# Altium PCB PCB1.PcbDoc
Units mm, origin at the board's own origin, x right, y up, seen from the top; angles counter-clockwise.
Board outline 84 x 55 mm, 2 copper layers (Top Layer, Bottom Layer), stack 1.671 mm thick; 55 components, 36 nets, 166 pads, 26 vias.
Unrouted connection lines stored in the file: 42.
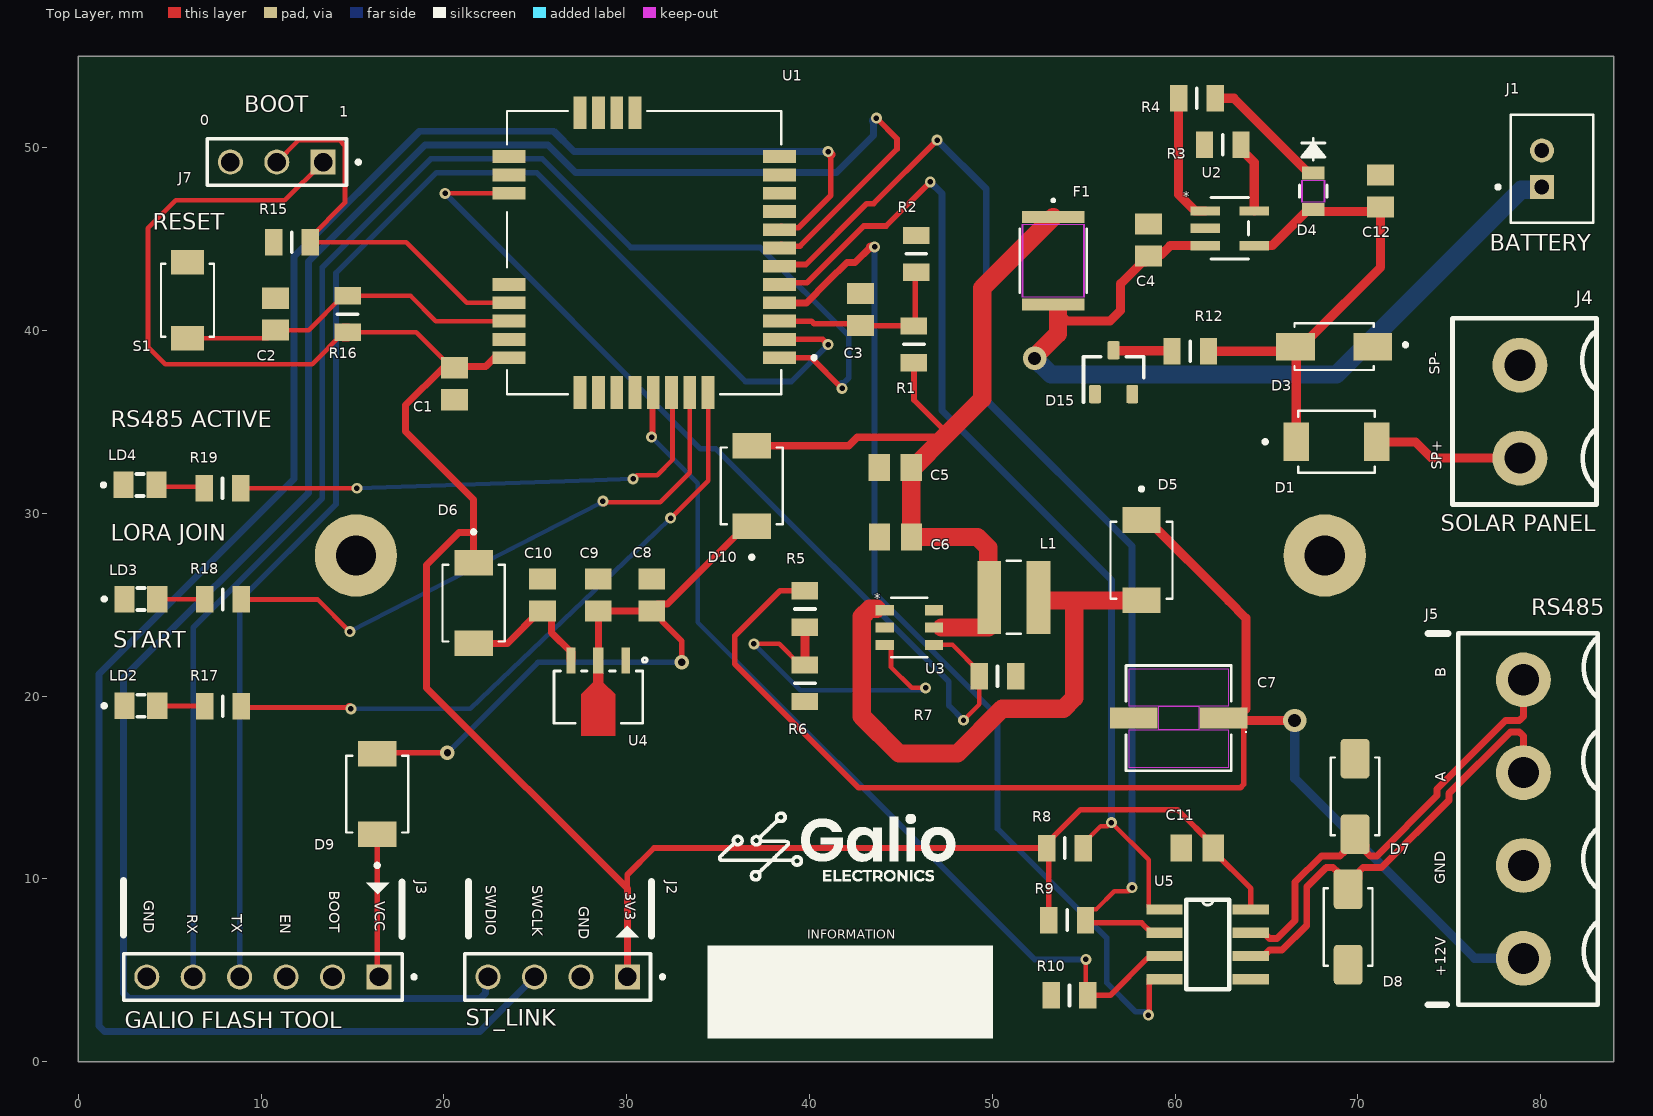
[diagram p0: Top Layer view]
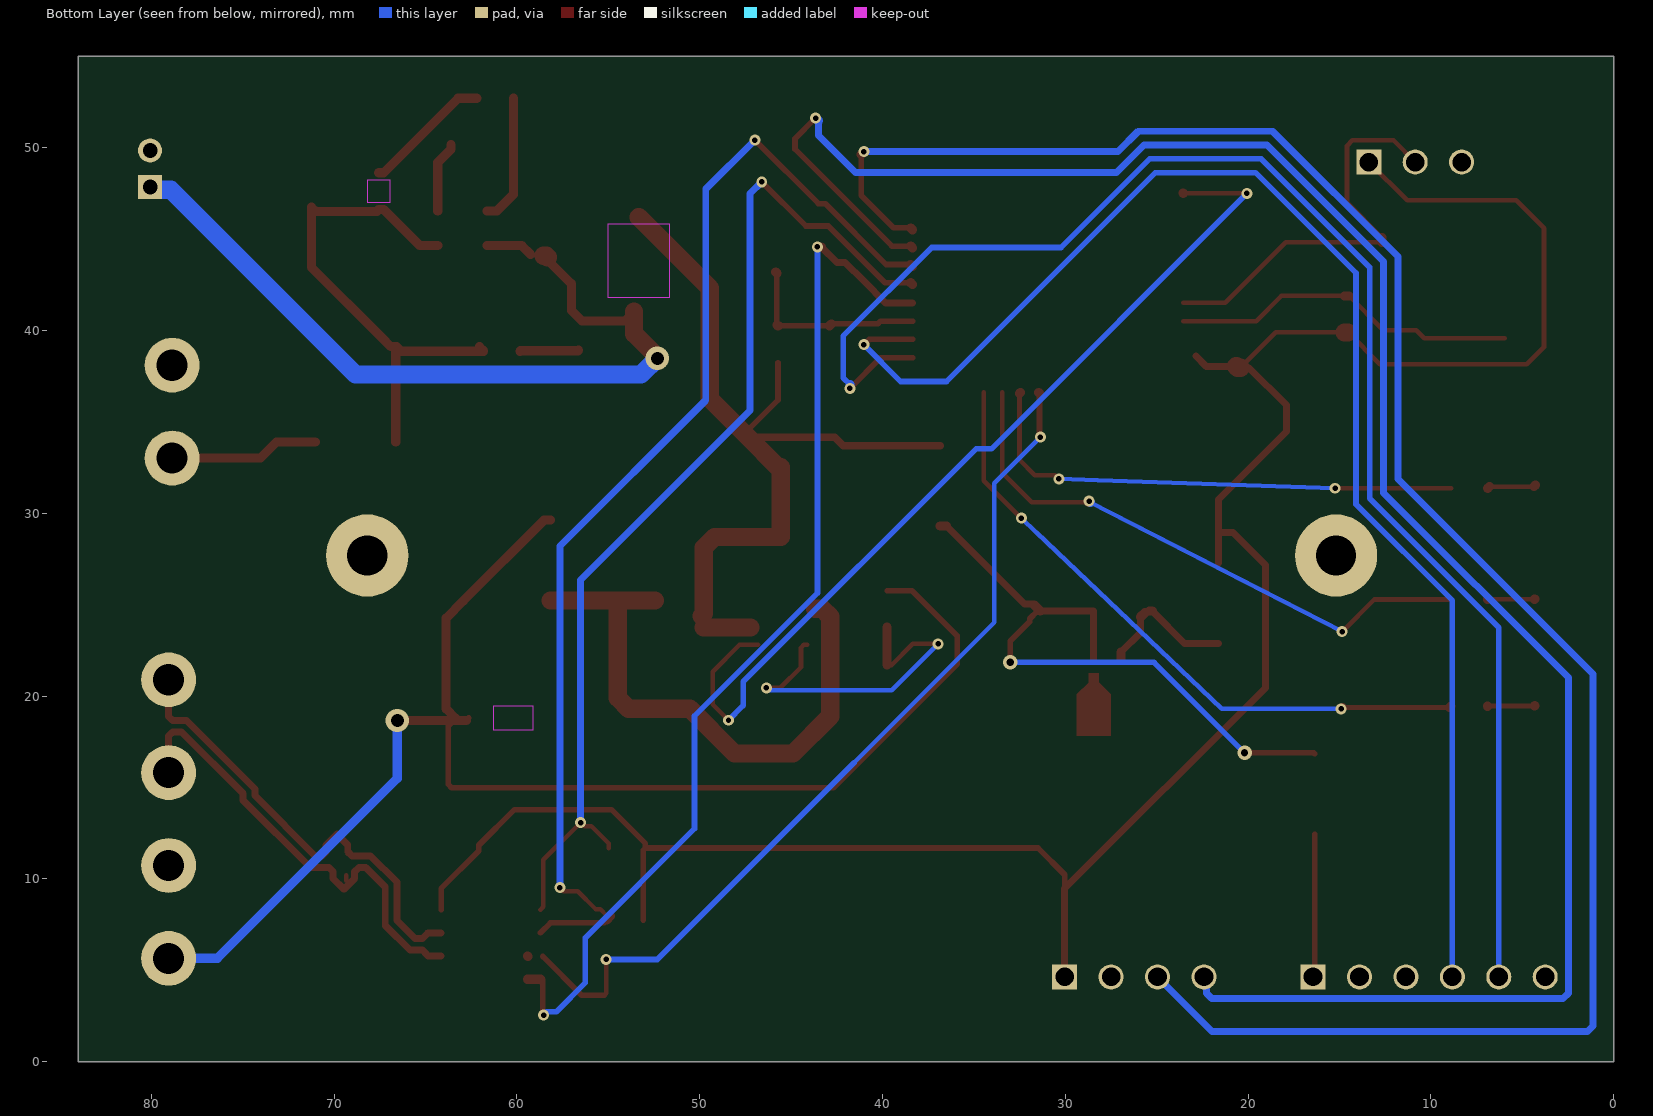
[diagram p1: Bottom Layer view, seen from below]
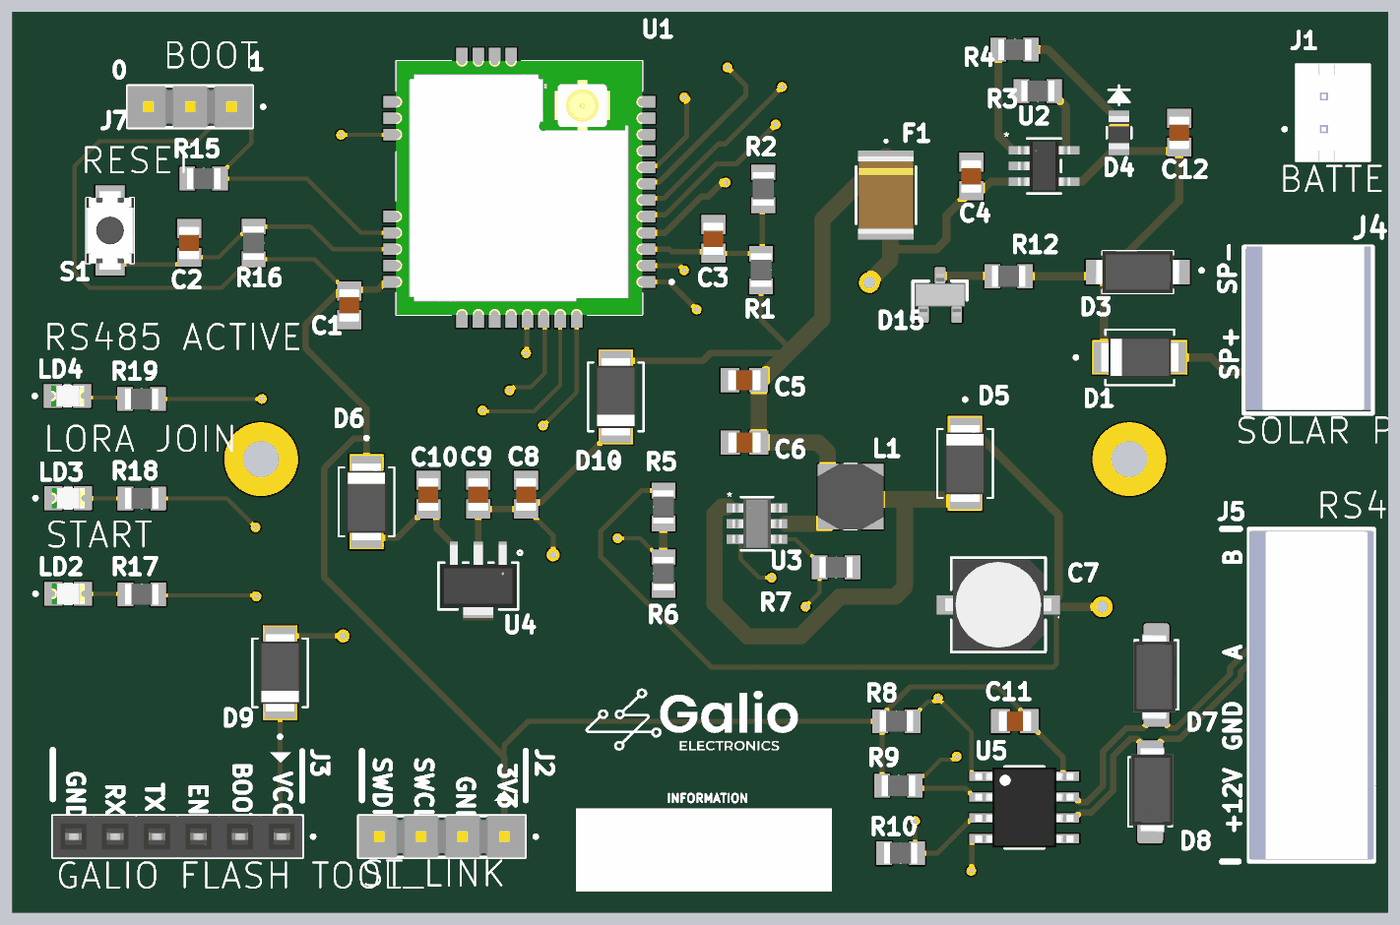
[diagram p2: 3D render of the assembled board from above, using the file's embedded part models]

## Layer stack, top to bottom
Top Solder: solder mask 0.0102, Solder Resist, Dk 3.5
Top Layer: signal copper 0.0356
Dielectric 1: dielectric 1.6, FR-4, Dk 4.8
Bottom Layer: signal copper 0.0356
Bottom Solder: solder mask 0.0102, Solder Resist, Dk 3.5

## Board outline
0,0 84,0 84,55 0,55

## Design rules (kind name [scope] priority, off if disabled: settings)
Clearance [All] p1: gap=0.254 ignorepadtopadclearanceinfootprint=FALSE except(0: Arc-Hole Track-Hole SMDPad-Hole THPad-Hole Via-Hole Fill-Hole Poly-Hole Region-Hole Text-Hole)
DiffPairsRouting [All] p1: maxlimit=0.254 minlimit=0.254 mostfreqgap=0.254 toplayer_minwidth=0.381 toplayer_maxwidth=0.381 toplayer_prefwidth=0.381 bottomlayer_minwidth=0.381 bottomlayer_maxwidth=0.381 bottomlayer_prefwidth=0.381 maxuncoupledlength=12.7
PolygonConnect [All] p1: connectstyle=Relief reliefconductorwidth=0.254 reliefentries=4 polygonreliefangle="90 Angle" airgapwidth=0.254
RoutingVias [All] p1: holewidth=0.711 width=1.27 viastyle="Through Hole" minholewidth=0.711 minwidth=1.27 maxholewidth=0.711 maxwidth=1.27
SolderMaskExpansion [All] p1: expansion=0.102 istentingtop=FALSE
Width Power_low [InNetClass('Power_low')] p1: maxlimit=1 minlimit=0.3 preferedwidth=0.308 minimp=50.000000 maximp=50.000000 favimp=50.000000
Width power_high [InNetClass('Power_High')] p2: maxlimit=2 minlimit=0.5 preferedwidth=1 minimp=50.000000 maximp=50.000000 favimp=50.000000
Width Señales [InNetClass('Señal')] p3: maxlimit=0.6 minlimit=0.25 preferedwidth=0.25 minimp=50.000000 maximp=50.000000 favimp=50.000000
29 further rules are at their usual default settings.

## Classes and differential pairs
net class Señal: BOOT0 DE FB INIT_LED LORA_LED NetLD2_2 NetLD3_2 NetLD4_2 NIV_BAT P_N P_P PROG RE RS485_LED RS_485_ENA RST RX RX_2 SOLAR_IN STAT SWCLK SWDIO TX TX_2 VDD ZENER_OUT
net class Power_low: +3.3 +5 +12 GND VBAT_CHARGE VIN_LDO VOUT_LDO
net class Power_High: SW_BOOST V_BAT V_CHARGE VBAT_CHARGE
differential pair P: +P_P -P_N

## Components (designator, comment, footprint, x,y, rotation, side; value= is the part's Value field where it differs from the comment)
C1 "100nF" CAPC2012X110N 20.574,37.084 r90 top
C2 "100nF" CAPC2012X110N 10.795,40.894 r270 top
C3 "100nF" CAPC2012X110N 42.799,41.148 r270 top
C4 "4.7uF" CAPC2012X110N 58.547,44.958 r270 top
C5 "100nF" CAPC2012X110N 44.69,32.512 r0 top
C6 "22uF" CAPC2012X110N 44.704,28.702 r0 top
C7 "22µF 25V" CAP_EEFK_C_PAN 60.198,18.796 r180 top
C8 "1uF" CAPC2012X110N 31.369,25.527 r270 top
C9 "100nF" CAPC2012X110N 28.448,25.527 r90 top
C10 "1uF" CAPC2012X110N 25.4,25.527 r270 top
C11 "100nF" CAPC2012X110N 61.214,11.684 r0 top
C12 "4.7uF" CAPC2012X110N 71.247,47.625 r270 top
D1 "Schottky 1A 40V" SODFL4725X110N 68.834,33.909 r0 top
D3 "TVS U 7.6v" DIOM4325X250N 68.707,39.116 r180 top
D4 "0805" LED0805N_CML 67.564,47.625 r270 top
D5 "Schottky 1A 40V" SODFL4725X110N 58.166,27.432 r270 top
D6 "Schottky 1A 40V" SODFL4725X110N 21.626,25.082 r270 top
D7 "TVS" DIOM5126X229N 69.85,14.511 r270 top
D8 "TVS" DIOM5126X229N 69.469,7.366 r90 top
D9 "Schottky SOD-128" SODFL4725X110N 16.351,14.637 r90 top
D10 "Schottky SOD-128" SODFL4725X110N 36.847,31.496 r90 top
D15 "Zener 6.8V" SOT-23 56.642,37.719 r90 top value="Single Diode"
F1 "" FUSE_MF-MSMF07524-2_BRN 53.34,43.815 r270 top
J1 "B2B-PH-K-S" JST_B2B-PH-K-S 80.623,48.847 r270 top
J2 "PIN-HEADER-4" PIN-HEADER-4-MALE 26.226,4.635 r0 top
J3 "PIN-HEADER-6" PIN-HEADER-6-FEMALE 10.096,4.635 r0 top
J4 "TRT2" TRT_2_KF301 78.867,38.1 r90 top
J5 "TRT4" "TRT_4_ KF301" 79.057,13.271 r90 top
J7 "PIN-HEADER-3" PIN-HEADER-3-MALE 10.858,49.212 r0 top
L1 "VLS4012ET-4R7M-CA" IND_VLS4012ET-4R7M-CA 51.181,25.4 r0 top
LD2 "" LEDC2012X70N 3.417,19.467 r0 top
LD3 "" LEDC2012X70N 3.417,25.308 r0 top
LD4 "" LEDC2012X70N 3.376,31.549 r0 top
R1 "100k" RESC2013X84N 45.72,39.243 r270 top
R2 "100k" RESC2013X84N 45.847,44.196 r270 top
R3 "2.2k" RESC2013X84N 62.611,50.165 r0 top
R4 "470" RESC2013X84N 61.198,52.705 r0 top
R5 "190K" RESC2013X84N 39.751,24.764 r90 top
R6 "10K" RESC2013X84N 39.751,20.7 r90 top
R7 "10K" RESC2013X84N 50.292,21.082 r180 top
R8 "10k" RESC2013X84N 53.975,11.684 r180 top
R9 "10k" RESC2013X84N 54.102,7.747 r180 top
R10 "10k" RESC2013X84N 54.229,3.621 r0 top
R12 "47" RESC2013X84N 60.833,38.862 r0 top
R15 "10k" RESC2013X84N 11.684,44.831 r0 top
R16 "10k" RESC2013X84N 14.732,40.894 r90 top
R17 "330" RESC2013X84N 7.907,19.442 r0 top
R18 "330" RESC2013X84N 7.907,25.284 r0 top
R19 "330" RESC2013X84N 7.89,31.369 r0 top
S1 "" SWITCH-SMD-4x3mm 5.969,41.656 r270 top
U1 "RAK3172" XCVR_RAK3172 30.954,44.263 r180 top
U2 "MCP73831T-2ACI/OT" SOT-23-5_MC_MCH-M 62.992,45.593 r0 top
U3 "MT3608" TSOT23-6SOT23-6_AER 45.466,23.749 r0 top
U4 "MCP1700T-3302E/MB" SOT-89_3MC_MCH 28.448,19.939 r180 top
U5 "THVD2450DR" SOIC8-N_MC 61.785,6.413 r0 top

## Footprints (in the part's own frame and the unit in brackets; to place one, negate y for a bottom-side part, rotate by r counter-clockwise, add the part's x,y. Pads: shape width x height; smd on the part's side, far side on the other; paste and mask are expansions set on the pad)
CAP_EEFK_C_PAN [mil]
  rect 103x46 smd paste+0 mask+0: 1(-96.5,0) 2(96.5,0)
  Top Layer keep-out region: -106.5,-106.5 -106.5,-25 106.5,-25 106.5,-106.5
  Top Layer keep-out region: -106.5,25 -106.5,106.5 106.5,106.5 106.5,25
  Top Layer keep-out region: -43,-25 -43,25 43,25 43,-25
  Keep-Out Layer region: -43,-25 -43,25 43,25 43,-25
  silkscreen extent -145,-114 114,114, body extent -128,-109 128,109, height 242
CAPC2012X110N [mm]
  rect 1.16x1.47 smd paste+0 mask+0.102: 1(-0.875,0) 2(0.875,0)
  body extent -1,-0.63 1,0.63, height 1.1
DIOM4325X250N [mm]
  rect 2.12x1.5 smd: A(2.115,0) C(-2.115,0)
  silkscreen extent -4,-1.28 2.16,1.28, body extent -2.61,-1.3 2.61,1.3, height 2.4
DIOM5126X229N [mm] "Diode TVS Bi-Dir 30V 400W DO214AC"
  rrect25% 2.17x1.57 smd paste+0 mask+0.102: 1(-2.065,0) 2(2.065,0)
  silkscreen extent -2.12,-1.33 2.12,1.33, body extent -2.48,-1.43 2.73,1.18, height 2.4
FUSE_MF-MSMF07524-2_BRN [mil]
  rect 25.78x134 smd paste+0 mask+0: 1(-93.89,0) 2(93.89,0)
  Top Layer keep-out region: -79,-65 -79,65 79,65 79,-65
  Keep-Out Layer region: -79,-67 -79,67 79,67 79,-67
  silkscreen extent -133,-72 69,72, body extent -93,-67 93,67, height 33
IND_VLS4012ET-4R7M-CA [mm]
  rect 1.3x4 smd: 1(-1.35,0) 2(1.35,0)
  silkscreen extent -0.38,-2 0.38,2, body extent -2,-2 2,2, height 1.2
JST_B2B-PH-K-S [mm]
  rect 1.308x1.308 / inner round 1.308 / far side rect 1.308x1.308 hole 0.8: 1(1,-0.55)
  round 1.308 hole 0.8: 2(-1,-0.55)
  silkscreen extent -2.95,-3.05 2.95,2.25, body extent -2.95,-2.25 2.95,2.25, height 6
LED0805N_CML [mil]
  rect 28x49 smd paste+0 mask+0: 1(-39.5,0) 2(39.5,0)
  Top Layer keep-out region: -23.5,-22.5 -23.5,22.5 23.5,22.5 23.5,-22.5
  Keep-Out Layer region: -23.5,-24.5 -23.5,24.5 23.5,24.5 23.5,-24.5
  silkscreen extent -114,-30 13,30, body extent -39,-24 39,24, height 31
LEDC2012X70N [mm]
  rect 1.1x1.45 smd: A(0.9,0) C(-0.9,0)
  silkscreen extent -2.1,-0.6 0.2,0.6, body extent -1,-0.63 1,0.63, height 0.7
PIN-HEADER-3-MALE [mm]
  rect 1.37x1.37 hole 1.02: 1(2.54,0)
  round 1.37 hole 1.02: 2(0,0) 3(-2.54,0)
  silkscreen extent -3.81,-1.27 4.56,1.27, body extent -3.81,-1.27 3.81,1.27, height 5.08
PIN-HEADER-4-MALE [mm]
  rect 1.37x1.37 hole 1.02: 1(3.81,0)
  round 1.37 hole 1.02: 2(1.27,0) 3(-1.27,0) 4(-3.81,0)
  silkscreen extent -5.08,-1.27 5.83,1.27, body extent -5.08,-1.27 5.08,1.27, height 5.08
PIN-HEADER-6-FEMALE [mm]
  rect 1.37x1.37 hole 1.02: 1(6.35,0)
  round 1.37 hole 1.02: 2(3.81,0) 3(1.27,0) 4(-1.27,0) 5(-3.81,0) 6(-6.35,0)
  silkscreen extent -7.62,-1.27 8.37,1.27, body extent -7.62,-1.27 7.62,1.27, height 8.5
RESC2013X84N [mm] "Chip Resistor, EIA 0805, Metric 2013, Body 2.03x1.27mm, IPC Medium Density"
  rect 0.95x1.45 smd: 1(-1,0) 2(1,0)
  silkscreen extent 0,-0.55 0,0.55, body extent -1.02,-0.63 1.02,0.64, height 0.84
SODFL4725X110N [mm]
  rect 1.4x2.1 smd paste-0.1: 1(-2.2,0) 2(2.2,0)
  silkscreen extent -4,-1.7 2.1,1.7, body extent -2.35,-1.25 2.35,1.25, height 1.1
SOIC8-N_MC [mil]
  rect 78x22 smd: 1(-93,75) 2(-93,25) 3(-93,-25) 4(-93,-75) 5(93,-75) 6(93,-25) 7(93,25) 8(93,75)
  silkscreen extent -46,-96 46,96, body extent -118,-97 118,96, height 69
SOT-23 [mm] "SOT23, 3-Leads, IPC Medium Density"
  rrect25% 1x0.65 smd: 1(-1.2,1.02) 2(-1.2,-1.02) 3(1.2,0)
  silkscreen extent -1.65,-1.65 0.85,1.65, body extent -1.3,-1.52 1.3,1.52, height 1.3
SOT-23-5_MC_MCH-M [mil]
  rect 63.37x20 smd paste+0 mask+0: 1(-52.97,37.4) 2(-52.97,0) 3(-52.97,-37.4) 4(52.97,-37.4) 5(52.97,37.4)
  silkscreen extent -40,-66 40,66, body extent -63,-61 63,61, height 57
SOT-89_3MC_MCH [mil]
  rect 19x55.87 smd paste+0 mask+0: 1(-59.06,-79.12) 3(59.06,-79.12)
  rect 22x55.87 smd paste+0 mask+0: 2(0,-79.12)
  Top Layer region: 11,-51.18 -11,-51.18 -11,-30.82 -36.98,-6.8 -36.98,82.96 36.98,82.96 36.98,-6.8 11,-31.8
  silkscreen extent -105,-85 96,56, body extent -91,-99 91,69, height 65
SWITCH-SMD-4x3mm [mm]
  rect 1.35x1.8 smd: 1(-2.075,0) 2(2.075,0)
  silkscreen extent -2,-1.45 2,1.45, body extent -2.4,-1.45 2.4,1.45, height 2
TRT_2_KF301 [mm] "Bornera KF301 de 2 Pines 5mm"
  round 3 hole 1.7: 1(-5.08,0) 2(0,0)
  silkscreen extent -7.63,-4.19 2.57,3.68, body extent -7.41,-4.06 2.59,3.54, height 10.03
"TRT_4_ KF301" [mm] "Bornera KF301 de 4 Pines 5mm"
  round 3 hole 1.7: 1(-7.62,0) 2(-2.54,0) 3(2.54,0) 4(7.62,0)
  silkscreen extent -10.16,-4.06 10.16,3.56, body extent -10,-4.06 10,3.54, height 10.05
TSOT23-6SOT23-6_AER [mm]
  rect 0.998x0.558 smd paste+0 mask+0: 1(-1.35,0.95) 2(-1.35,0) 3(-1.35,-0.95) 4(1.35,-0.95) 5(1.35,0) 6(1.35,0.95)
  silkscreen extent -0.98,-1.63 0.98,1.63, body extent -1.5,-1.5 1.5,1.5, height 1.45
XCVR_RAK3172 [mm]
  rect 1.8x0.7 smd paste+0 mask+0.102: 1(-7.4,5.75) 2(-7.4,4.75) 3(-7.4,3.75) 4(-7.4,2.75) 5(-7.4,1.75) 6(-7.4,0.75) 7(-7.4,-0.25) 8(-7.4,-1.25) 9(-7.4,-2.25) 10(-7.4,-3.25) 11(-7.4,-4.25) 12(-7.4,-5.25) 17(7.4,-5.25) 18(7.4,-4.25) 19(7.4,-3.25) 20(7.4,1.75) 21(7.4,2.75) 22(7.4,3.75) 23(7.4,4.75) 24(7.4,5.75)
  rect 0.7x1.8 smd paste+0 mask+0.102: 13(0.5,-7.65) 14(1.5,-7.65) 15(2.5,-7.65) 16(3.5,-7.65) 25(3.5,7.65) 26(2.5,7.65) 27(1.5,7.65) 28(0.5,7.65) 29(-0.5,7.65) 30(-1.5,7.65) 31(-2.5,7.65) 32(-3.5,7.65)
  silkscreen extent -9.4,-7.75 7.5,7.75, body extent -7.5,-7.75 7.5,7.75, height 2.61

## Part data
C1 C2 C3 C4 C5 C6 C8 C9 C10 C11 C12: library part C0805C125K4RACTU, "CAPACITOR, 0805", Package="805-2 KEMET", Check_prices=https://www.snapeda.com/parts/C0805C125K4RACTU/Kemet/view-part/?ref=eda, MF=KEMET, MP=C0805C125K4RACTU, SnapEDA_Link=https://www.snapeda.com/parts/C0805C125K4RACTU/Kemet/view-part/?ref=snap
C7: library part EEE-FK1E220AR, "Capacitor electrolítico aluminio SMD", Manufacturer_Name=Panasonic, Copyright="Copyright (C) 2026 Ultra Librarian. All rights reserved.", Manufacturer_Part_Number=EEE-FK1E220AR
D1 D5 D6 D9 D10: library part PMEG4020ETP,115, "Diode Schottky 40V 2A Surface Mount SOD-128/CFP5", Package="CFP5-2 Nexperia USA Inc.", Check_prices=https://www.snapeda.com/parts/PMEG4020ETP,115/Nexperia/view-part/?ref=eda, MF="Nexperia USA", MP=PMEG4020ETP,115, SnapEDA_Link=https://www.snapeda.com/parts/PMEG4020ETP,115/Nexperia/view-part/?ref=snap
D3: library part SMAJ11A, "11 TVS Diode Surface Mount DO-214AC (SMA)", Package="DO-214 Bourns", Check_prices=https://www.snapeda.com/parts/SMAJ11A/Bourns/view-part/?ref=eda, MF=Bourns, MP=SMAJ11A, SnapEDA_Link=https://www.snapeda.com/parts/SMAJ11A/Bourns/view-part/?ref=snap
D4: library part WL-SMCC_0603, "LED, GREEN, 60MCD, 573NM, SMD; LED Colour: Green; LED Mounting: SMD; LED Case Size: 0603; Forward Current If: 20mA; Forward Voltage: 2V; Wavelength Typ: 573nm; Luminous Intensity: 60mcd; Viewing Angle: 120Â°; Lens Shape: Rectangular; Product Range: WL-SMC", Package=None, Check_prices=https://www.snapeda.com/parts/150060VS73220/W%25C3%25BCrth+Elektronik+Midcom/view-part/?ref=eda, MF="WÃ¼rth Elektronik", MP=150060VS73220, SnapEDA_Link=https://www.snapeda.com/parts/150060VS73220/W%25C3%25BCrth+Elektronik+Midcom/view-part/?ref=snap
D7 D8: library part "Diode TVS Bi-Directional", "Transient Voltage Suppressor Diode (Bi-Directional)"
D15: library part Zener-Diode_NC, ki_description="Zener Dual Diode Common Anode", ki_keywords="Zener Dual Diode Common Anode"
F1: library part MF-MSMF07524-2, "Fuse", Manufacturer_Name="Bourns Electronics", Manufacturer_Part_Number=MF-MSMF075/24-2, Copyright="Copyright (C) 2026 Ultra Librarian. All rights reserved."
J1: "Connector Header Through Hole 2 position 0.079 (2.00mm)", Package=None, Check_prices=https://www.snapeda.com/parts/B2B-PH-K-S/JST/view-part/?ref=eda, MF="JST Sales America Inc.", MP=B2B-PH-K-S, SnapEDA_Link=https://www.snapeda.com/parts/B2B-PH-K-S/JST/view-part/?ref=snap
J2 J3 J7: Package=None, Availability=Unavailable, Price=None
  J2: MP=MTSW-104-06-T-S-100
  J3: MP=MTSW-106-06-T-S-100
  J7: MP=MTSW-103-06-T-S-190
J4: library part TRT_2, "Terminal Block, 2 Positions, Screw Connection"
J5: library part TRT_4, "TRT_4"
L1: "4.7 µH Shielded Drum Core, Wirewound Inductor 1.9 A 118mOhm Max Nonstandard", Package="NON STANDARD-2 TDK", Check_prices=https://www.snapeda.com/parts/VLS4012ET-4R7M-CA/TDK/view-part/?ref=eda, MF=TDK, MP=VLS4012ET-4R7M-CA, SnapEDA_Link=https://www.snapeda.com/parts/VLS4012ET-4R7M-CA/TDK/view-part/?ref=snap
LD2: library part "LED Red 0805", "LED Red 0805"
LD3: library part "LED Green 0805", "LED Green 0805"
LD4: library part "LED Yellow 0805", "LED Yellow 0805"
R1 R2 R3 R4 R5 R6 R7 R8 R9 R10 R12 R15 R16 R17 R18 R19: library part RES
S1: library part SWITCH-SMD-4x3mm, "50mA 4mm 100MÎ© 100,000 Times 12V 160gf 3mm 2mm Round Button Vertical welding SPST SMD Tactile Switches ROHS", Package=Package, Check_prices=https://www.snapeda.com/parts/TS-1088-AR02016/Xunpu/view-part/?ref=eda, MF=Xunpu, MP=TS-1088-AR02016, SnapEDA_Link=https://www.snapeda.com/parts/TS-1088-AR02016/Xunpu/view-part/?ref=snap
U1: "RAK3172 is a low-power long-range transceiver module based on the STM32WLE5CC chip. It provides an easy-to-use, small-size, low-power solution for long range wireless data applications", Package=Package, Check_prices=https://www.snapeda.com/parts/RAK3172/Shenzhen+RAKwireless+Technology+Co.%252CLtd./view-part/?ref=eda, MF="Shenzhen RAKwireless Technology Co.,Ltd.", MP=RAK3172, SnapEDA_Link=https://www.snapeda.com/parts/RAK3172/Shenzhen+RAKwireless+Technology+Co.%252CLtd./view-part/?ref=snap
U2: library part MCP73831T-2ACIOT, "Series Single-Cell Li-Ion/Li-Polymer Battery Charge Controller", Manufacturer_Name=Microchip, Copyright="Copyright (C) 2025 Ultra Librarian. All rights reserved.", Manufacturer_Part_Number=MCP73831T-2ACI/OT, RefDes=RefDes, Type=Type
U3: "DC-DC step-up", Manufacturer_Name=Aerosemi, Copyright="Copyright (C) 2025 Ultra Librarian. All rights reserved.", Manufacturer_Part_Number=MT3608, RefDes=RefDes, Type=Type
U4: library part MCP1700T-3302EMB, "Linear Voltage Regulators", Manufacturer_Name=Microchip, Copyright="Copyright (C) 2026 Ultra Librarian. All rights reserved.", Manufacturer_Part_Number=MCP1700T-3302E/MB, RefDes=RefDes, Type=Type
U5: "Transceiver Half RS422, RS485 SOIC-8", Manufacturer_Name="Texas Instruments", Copyright="Copyright (C) 2025 Ultra Librarian. All rights reserved.", Manufacturer_Part_Number=THVD2450DR, RefDes=RefDes, Type=Type

## Free pads (board coordinates)
  round 4.5 hole 2.2: Pad1(15.191,27.691) Pad1(68.191,27.691)

## Via types
v1: diameter 0.6, hole 0.3, Top Layer to Bottom Layer, 22 vias
v2: diameter 1.27, hole 0.711, Top Layer to Bottom Layer, 2 vias
v3: diameter 0.8, hole 0.4, Top Layer to Bottom Layer, 2 vias

## Nets (pads, with @x,y where several pads share a name; then routed paths per layer and width w, separated by ;. In a path a pad name is that pad's centre, name@x,y a point inside that pad or via, vN(x,y) a via of type N, cw(c..) or ccw(c..) an arc to the next point about the centre after c; other vN are vias at no path point)
+3.3: C1.2 C11.2 D6.1 J2.1 J7.1 R8.2 R9.2 R16.1 U1.24 U5.8 | length 125.9
  Top Layer w0.254: J7.1 11.303,47.117 5.334,47.117 3.81,45.593 3.81,39.099 4.757,38.152 12.79,38.152 R16.1@14.532,39.894 ; R16.1 18.484,39.894 C1.2@20.419,37.959
  Top Layer w0.308: 30.035,9.461 30.035,10.223 31.496,11.684 R8.2 ; R9.2 53.102,11.557 R8.2 ; U5.8 64.148,9.47 62.089,11.529 C11.2 62.089,11.839 60.139,13.789 54.83,13.789 52.975,11.934 R8.2
  Top Layer w0.381: C1.2@19.943,37.959 17.907,35.923 17.907,34.466 21.626,30.746 21.626,28.945 ; C1.2@20.654,38.039 22.291,38.039 U1.24@22.86,38.608 ; D6.1 21.626,28.945 ; J2.1 30.035,9.461 19.05,20.447 19.05,27.169 20.826,28.945 21.626,28.945
  Top Layer w1: R16.1@14.532,39.894 R16.1 ; C1.2@20.419,37.959 C1.2 C1.2@20.654,38.039
+5: C8.2 C9.1 D9.2 D10.1 U4.2 | length 35.4
  Top Layer w0.308: D9.2 16.405,16.891 v3(20.193,16.891) ; C8.2 31.524,24.652 31.95,24.226 31.95,24.071 33.02,23.001 v3(33.02,21.844)
  Top Layer w0.381: U4.2 C9.1 C8.2 ; C8.2@31.699,24.982 31.759,25.042 32.243,25.042 D10.1@36.497,29.296
  Top Layer w0.5: C8.2 C8.2@31.699,24.982 ; D10.1@36.497,29.296 D10.1
  Bottom Layer w0.308: v3(20.193,16.891) 25.146,21.844 v3(33.02,21.844)
+12: C7.1 D5.1 J5.1 R5.2 | length 77.9
  Top Layer w0.308: R5.2 38.387,25.764 35.914,23.291 35.914,21.76 42.688,14.986 63.574,14.986 63.754,15.166 63.754,18.366 C7.1@63.551,18.569 ; C7.1 C7.1@62.776,18.669
  Top Layer w0.5: D5.1 58.516,29.632 62.933,25.214 63.881,24.267 63.881,19.304 C7.1@63.373,18.796 ; C7.1@62.776,18.669 v2(66.548,18.669)
  Bottom Layer w0.5: v2(66.548,18.669) 66.548,15.494 76.391,5.651 J5.1
BOOT0: J7.2 R15.2 U1.21 | length 22.7
  Top Layer w0.254: J7.2 12.047,50.401 14.292,50.401 14.587,50.106 14.587,46.984 R15.2@12.684,45.081 ; R15.2 17.942,44.831 21.26,41.513 U1.21
  Top Layer w0.5: R15.2 R15.2@12.684,45.081
DE: R10.2 U1.29 U5.3 | length 48.8
  Top Layer w0.25: v1(55.118,5.588) 55.118,3.732 R10.2
  Top Layer w0.308: v1@31.411,34.205 U1.29@31.411,36.571 ; R10.2 56.454,3.621 U5.3@58.582,5.749
  Top Layer w0.5: v1(31.369,34.163) v1@31.411,34.205 ; U1.29@31.411,36.571 U1.29 ; U5.3@59.394,5.749 U5.3
  Bottom Layer w0.25: v1(31.369,34.163) 33.886,31.646 33.886,24.026 41.564,16.348
  Bottom Layer w0.308: 41.564,16.348 52.324,5.588 v1(55.118,5.588)
FB: R5.1 R6.2 U3.3 | length 19.7
  Top Layer w0.25: v1(36.957,22.859) 38.342,22.859 39.501,21.7 R6.2 ; U3.3 44.31,22.799 44.464,22.645 44.464,21.576 45.593,20.447 v1(46.355,20.447)
  Top Layer w0.5: R6.2@39.751,21.716 R5.1
  Bottom Layer w0.25: v1(36.957,22.859) 39.497,20.319 40.26,20.319 40.386,20.319 46.227,20.319 v1(46.355,20.447)
GND: C1.1 C2.1 C3.1 C4.1 C5.1 C6.1 C7.2 C8.1 C9.2 C10.1 C11.1 C12.1 D3.C D7.1 D8.1 D15.1 J1.2 J2.2 J3.6 J4.2 J5.2 J7.3 LD2.C LD3.C LD4.C pad.Pad1 R2.1 R3.1 R6.1 R7.1 R10.1 R15.1 S1.1 U1.11 U1.17 U1.18 U1.23 U1.28 U2.2 U3.2 U4.1 U5.5
INIT_LED: R17.2 U1.32 | length 35.5
  Top Layer w0.25: R17.2@8.976,19.373 v1@14.841,19.373 ; v1(32.403,29.737) 34.454,31.789 U1.32
  Top Layer w0.5: R17.2 R17.2@8.976,19.373 ; v1@14.841,19.373 v1(14.909,19.304)
  Bottom Layer w0.25: v1(14.909,19.304) 21.451,19.304 31.585,28.95 v1(32.403,29.737)
LORA_LED: R18.2 U1.31 | length 32.1
  Top Layer w0.25: R18.2 13.096,25.284 v1(14.854,23.525) ; v1@28.758,30.611 31.841,30.611 33.454,32.224 U1.31
  Top Layer w0.5: v1(28.702,30.667) v1@28.758,30.611
  Bottom Layer w0.25: v1(14.854,23.525) v1@28.62,30.582
  Bottom Layer w0.5: v1@28.62,30.582 28.675,30.638 28.701,30.664 v1(28.702,30.667)
NetLD2_2: LD2.A R17.1 | length 2.6
  Top Layer w0.25: LD2.A@4.33,19.454 R17.1@6.895,19.454
  Top Layer w0.5: LD2.A LD2.A@4.33,19.454 ; R17.1@6.895,19.454 R17.1
NetLD3_2: LD3.A R18.1 | length 2.6
  Top Layer w0.25: LD3.A@4.329,25.296 R18.1@6.895,25.296
  Top Layer w0.5: LD3.A LD3.A@4.329,25.296 ; R18.1@6.895,25.296 R18.1
NetLD4_2: LD4.A R19.1 | length 2.7
  Top Layer w0.25: LD4.A@4.365,31.459 R19.1@6.8,31.459
  Top Layer w0.5: LD4.A LD4.A@4.365,31.459 ; R19.1@6.8,31.459 R19.1
NIV_BAT: C3.2 R1.1 R2.2 U1.3 | length 10.5
  Top Layer w0.308: U1.3 40.109,40.513 40.263,40.36 C3.2@42.799,40.36 ; C3.2@42.901,40.258 R1.1@45.705,40.258 ; R1.1@45.783,40.307 R2.2@45.783,43.132
  Top Layer w0.5: C3.2@42.799,40.36 C3.2@42.901,40.258 ; R1.1@45.705,40.258 R1.1 R1.1@45.783,40.307 ; R2.2@45.783,43.132 R2.2
P_N: D8.2 J5.3 U5.6 | length 25.2
  Top Layer w0.25: D8.2@69.342,9.893 D8.2@69.342,10.193
  Top Layer w0.381: U5.6 64.859,5.779 64.948,5.867 64.948,5.873 65.171,6.096 65.846,6.096 67.208,7.458 67.208,9.554 68.275,10.621 68.651,10.621 68.878,10.394 68.878,10.022 D8.2 70.06,10.022 70.06,10.394 70.287,10.621 71.307,10.621 74.978,14.292 74.978,14.661 78.35,18.034 78.834,18.034 79.057,17.811 J5.3
P_P: D7.2 J5.4 U5.7 | length 24.9
  Top Layer w0.381: U5.7 64.859,7.048 64.948,6.96 64.948,6.954 65.171,6.731 65.583,6.731 66.573,7.721 66.573,9.817 68.012,11.256 69.032,11.256 69.259,11.483 69.259,11.855 D7.2 70.441,11.855 70.441,11.483 70.668,11.256 71.044,11.256 74.343,14.555 74.343,14.924 78.087,18.669 78.834,18.669 79.057,18.892 J5.4
PROG: R3.2 U2.5 | length 3.9
  Top Layer w0.5: R3.2 63.611,49.915 64.337,49.189 U2.5
RE: R9.1 U1.6 U5.2 | length 64.3
  Top Layer w0.25: R9.1 55.102,7.997 55.452,8.347 55.702,8.347 56.685,9.33 57.463,9.33 v1(57.658,9.525)
  Top Layer w0.308: U1.6@38.454,43.613 39.803,43.613 43.132,46.942 43.513,46.942 v1(46.99,50.419) ; R9.1@55.229,7.589 58.172,7.589 U5.2@58.712,7.048
  Top Layer w0.5: U1.6 U1.6@38.454,43.613 ; R9.1@54.877,7.972 R9.1
  Bottom Layer w0.38: v1(46.99,50.419) 49.673,47.736 49.673,36.184 57.658,28.199 v1(57.658,9.525)
RS485_LED: R19.2 U1.30 | length 27.8
  Top Layer w0.25: R19.2 v1(15.239,31.369) ; v1(30.355,31.885) 30.55,32.08 31.665,32.08 32.508,32.923 U1.30@32.508,36.559
  Top Layer w0.5: U1.30 U1.30@32.508,36.559
  Bottom Layer w0.25: v1(15.239,31.369) 28.23,31.806 v1(30.355,31.885)
RS_485_ENA: R7.2 U1.19 U3.4 | length 50.6
  Top Layer w0.25: v1@20.081,47.506 U1.19@23.546,47.506 ; U3.4 47.825,22.799 49.292,21.332 49.292,19.541 v1(48.428,18.677)
  Top Layer w0.5: v1(20.074,47.498) v1@20.081,47.506 ; U1.19@23.546,47.506 U1.19
  Bottom Layer w0.308: v1(20.074,47.498) 34.048,33.523 34.881,33.523 47.625,20.779 47.625,19.48 v1(48.428,18.677)
RST: C2.2 R16.2 S1.2 U1.22 | length 19.1
  Top Layer w0.25: S1.2 10.357,39.581 C2.2 12.607,40.019 R16.2@14.482,41.894 ; R16.2 18.177,41.894 19.558,40.513 U1.22
  Top Layer w0.5: R16.2@14.482,41.894 R16.2
RX: R8.1 U1.5 U5.1 | length 57.7
  Top Layer w0.25: R8.1 54.975,11.934 55.927,12.886 56.32,12.886 v1(56.515,13.081) 58.558,11.038 58.558,8.473 U5.1@58.712,8.319
  Top Layer w0.308: U1.5@38.454,42.613 39.869,42.613 42.972,45.716 44.192,45.716 v1(46.609,48.133)
  Top Layer w0.5: U1.5 U1.5@38.454,42.613
  Bottom Layer w0.38: v1(46.609,48.133) 47.244,47.498 47.244,35.623 56.515,26.352 v1(56.515,13.081)
RX_2: J3.5 U1.1 | length 84.2
  Top Layer w0.308: U1.1 40.1,38.513 v1(41.783,36.83)
  Bottom Layer w0.308: J3.5 6.286,23.748 13.346,30.807 13.346,43.455 19.282,49.391 25.386,49.391 30.235,44.542 37.311,44.542 42.16,39.693 42.16,37.415 v1@41.783,37.038
  Bottom Layer w0.5: v1(41.783,36.83) v1@41.783,37.038
SOLAR_IN: D1.2 J4.1 | length 8.2
  Top Layer w0.5: D1.2 73.152,33.909 74.041,33.02 J4.1
STAT: R4.1 U2.1 | length 7.1
  Top Layer w0.5: R4.1 60.198,47.441 61.096,46.543 U2.1
SW_BOOST: D5.2 L1.2 U3.1 | length 31.2
  Top Layer w1: U3.1@43.688,24.782 43.305,24.782 42.863,24.34 42.863,18.894 44.898,16.86 48.102,16.86 50.546,19.304 53.897,19.304 54.483,19.89 54.483,25.232 ; L1.2@52.451,25.232 54.483,25.232 ; D5.2 54.483,25.232
SWCLK: J2.3 U1.8 | length 110.4
  Top Layer w0.308: U1.8@38.454,45.613 39.39,45.613 41.168,47.391 v1@41.168,49.637
  Top Layer w0.5: J2.3@24.86,4.731 J2.3 ; U1.8 U1.8@38.454,45.613 ; v1(41.021,49.784) v1@41.168,49.637
  Bottom Layer w0.38: J2.3 21.971,1.651 1.436,1.651 1.143,1.944 1.143,21.209 11.811,31.877 11.811,44.053 18.657,50.899 26.01,50.899 27.125,49.784 v1(41.021,49.784)
SWDIO: J2.4 U1.7 | length 112.1
  Top Layer w0.308: U1.7@38.454,44.613 39.483,44.613 44.789,49.919 44.789,50.491 v1(43.661,51.619)
  Top Layer w0.5: U1.7 U1.7@38.454,44.613
  Bottom Layer w0.38: J2.4@22.282,4.502 22.282,3.739 21.989,3.447 2.769,3.447 2.476,3.739 2.476,21.004 12.592,31.12 12.592,43.768 18.97,50.145 25.698,50.145 27.206,48.637 41.485,48.637 43.514,50.666 v1@43.514,51.472
  Bottom Layer w0.5: J2.4@22.282,4.502 J2.4 ; v1@43.514,51.472 v1(43.661,51.619)
TX: U1.4 U5.4 | length 57.8
  Top Layer w0.308: v1(58.547,2.54) 58.587,2.58 58.587,4.383 U5.4@58.683,4.479
  Top Layer w0.38: U1.4 39.836,41.513 41.021,42.698 42.045,43.723 42.498,43.723 v1@43.353,44.577
  Top Layer w0.5: v1@43.353,44.577 v1(43.561,44.577) ; U5.4@58.683,4.479 58.712,4.508 U5.4
  Bottom Layer w0.308: v1(43.561,44.577) 43.561,25.638 50.288,18.911 50.288,12.744 56.257,6.775 56.257,4.322 57.855,2.724 58.363,2.724 v1(58.547,2.54)
TX_2: J3.4 U1.2 | length 78.2
  Top Layer w0.308: U1.2 40.729,39.513 v1(41.021,39.221)
  Bottom Layer w0.308: J3.4 8.826,25.221 14.1,30.495 14.1,43.143 19.594,48.637 25.073,48.637 36.499,37.211 39.011,37.211 v1(41.021,39.221)
V_BAT: C5.2 C6.2 D10.2 F1.1 L1.1 R1.2 U3.5 | length 46.5
  Top Layer w0.308: R1.2 45.72,36.195 47.364,34.551 47.364,34.17
  Top Layer w0.4: D10.2 42.144,33.696 42.611,34.163 46.99,34.163
  Top Layer w1: C5.2 45.572,32.505 45.572,28.709 C6.2 49.19,28.702 49.776,28.116 49.776,24.52 L1.1@49.911,24.385 ; C5.2@45.706,32.512 47.364,34.17 49.45,36.256 49.45,42.31 F1.1 ; U3.5@47.244,23.749 L1.1@49.784,23.749
V_CHARGE: C4.2 F1.2 J1.1 U2.3 | length 45.6
  Top Layer w0.5: 53.594,41.021 54.102,40.513 56.437,40.513 57.023,41.099 57.023,42.559 58.312,43.848 C4.2@58.312,44.003 ; C4.2@59.258,44.163 59.738,44.643 U2.3
  Top Layer w1: v2(52.324,38.481) 52.324,38.554 53.594,39.824 53.594,41.021 ; C4.2@58.312,44.003 58.392,44.083 C4.2
  Bottom Layer w1: v2(52.324,38.481) 53.213,37.592 68.834,37.592 78.935,47.693 79.919,47.693 J1.1
VBAT_CHARGE: D4.1 R4.2 | length 7.1
  Top Layer w0.5: R4.2 63.221,52.705 67.297,48.628 D4.1
VDD: C12.2 D1.1 D3.A D4.2 R12.2 U2.4 | length 27.9
  Top Layer w0.5: R12.2@62.058,39.116 61.833,38.891 R12.2 66.338,38.862 D3.A ; U2.4 64.341,44.647 65.323,44.647 67.297,46.622 D4.2 ; D1.1 66.634,39.074 D3.A ; D4.2@67.662,46.513 71.01,46.513 C12.2 71.247,46.513 71.247,43.461 67.402,39.616 66.902,39.116 D3.A
VIN_LDO: C10.2 D6.2 U4.3 | length 7.7
  Top Layer w0.381: D6.2 23.476,22.882 C10.2@25.245,24.652 ; C10.2@25.885,24.322 25.885,23.463 U4.3@26.948,22.4
  Top Layer w0.5: C10.2@25.245,24.652 C10.2 ; C10.2@25.635,24.572 C10.2@25.885,24.322 ; U4.3 U4.3@26.948,22.4
VOUT_LDO: D9.1 J3.1 | length 7.8
  Top Layer w0.308: D9.1 16.351,4.731 J3.1
ZENER_OUT: D15.3 R12.1 | length 3.2
  Top Layer w0.5: D15.3 56.671,38.89 59.805,38.89 R12.1
pads on no net: D15.2 J3.2 J3.3 U1.9 U1.10 U1.12 U1.13 U1.14 U1.15 U1.16 U1.20 U1.25 U1.26 U1.27 U3.6

## Silkscreen, mask and mechanical layers (free items; w line width, h text height)
Top Overlay:
  drawing of 2016 lines, arcs and shapes, not listed
  text "0" at 7.175,51.995 h1 r180
  text "BOOT" at 9.08,51.625 h1.52
  text "1" at 14.287,51.498 h1
  text "RESET" at 4.064,45.212 h1.52
  text "BATTERY" at 77.216,44.069 h1.52
  text "SP-" at 74.665,37.592 h1 r90
  text "RS485 ACTIVE" at 1.778,34.417 h1.52
  text "SP+" at 74.792,32.385 h1 r90
  text "SOLAR PANEL" at 74.549,28.702 h1.52
  text "LORA JOIN" at 1.778,28.194 h1.52
  text "RS485" at 79.502,24.13 h1.52
  text "START" at 1.905,22.352 h1.52
  text "B" at 74.993,21.018 h1 r90
  text "A" at 74.993,15.303 h1 r90
  text "GND" at 74.982,9.716 h1 r90
  text "SWDIO" at 22.109,9.652 h1 r270
  text "SWCLK" at 24.649,9.652 h1 r270
  text "BOOT" at 13.537,9.335 h1 r270
  text "3V3" at 29.729,9.271 h1 r270
  text "GND" at 3.377,8.826 h1 r270
  text "VCC" at 16.013,8.762 h1 r270
  text "GND" at 27.189,8.509 h1 r270
  text "RX" at 5.779,8.064 h1 r270
  text "TX" at 8.191,8.064 h1 r270
  text "EN" at 10.858,8.064 h1 r270
  text "INFORMATION" at 39.878,6.731 h0.51
  text "+12V" at 74.993,4.635 h1 r90
  text "ST_LINK" at 21.209,1.651 h1.52
  text "GALIO FLASH TOOL" at 2.54,1.524 h1.52
Mechanical 1:
  the board outline again, w0.381

## Text inside footprints (layer, text, board x,y; h text height)
U2: Top Overlay "*" at 60.452,47.117 h0.51
U3: Top Overlay "*" at 43.545,25.13 h0.51